# Altium PCB Bran_Main_Assay_PCB_v1.PcbDoc (part 2 of 4)
Units mil, origin at the board's own origin, x right, y up, seen from the top; angles counter-clockwise.
Board outline 3464.57 x 1881.89 mil, 6 copper layers (TOP, GND1, Singal, POWER, GND2, BOTTOM), stack 47.65 mil thick; 366 components, 309 nets, 1358 pads, 596 vias.
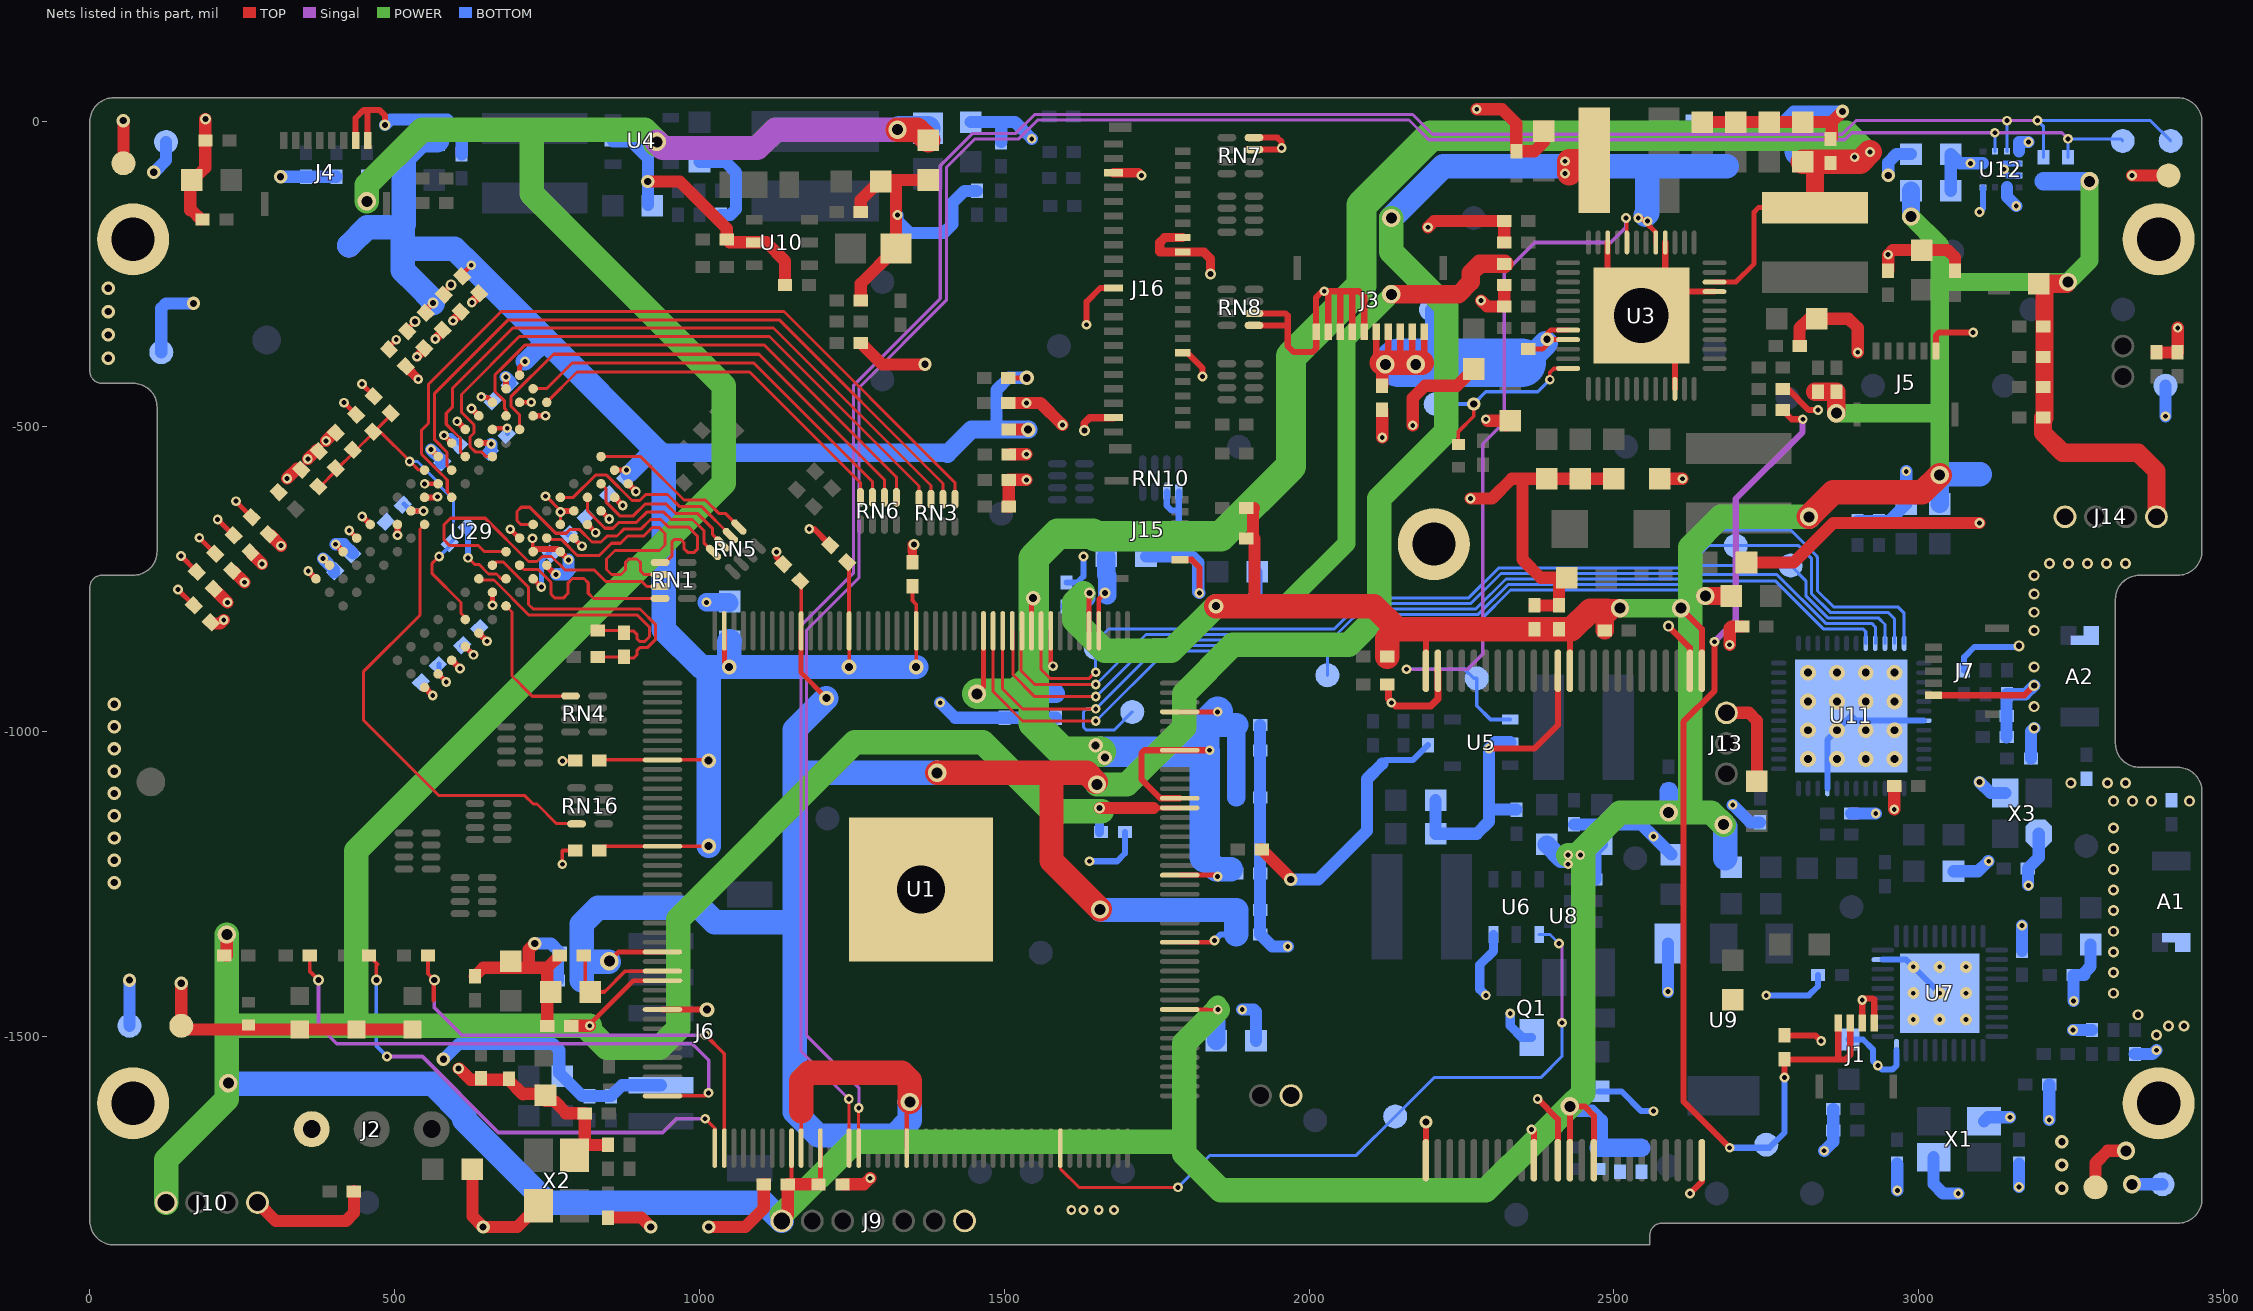
[diagram p6: the nets of this part, all layers, seen from the top]

## Via types
v1: diameter 16, hole 8, TOP to BOTTOM, tented both sides, 396 vias
v2: diameter 30, hole 18, TOP to BOTTOM, tented both sides, 64 vias
v3: diameter 18, hole 10, TOP to BOTTOM, tented both sides, 60 vias
v4: diameter 22, hole 12, TOP to BOTTOM, tented both sides, 35 vias
v5: diameter 25.98, hole 12.99, TOP to BOTTOM, tented both sides, 16 vias
v6: diameter 24, hole 13, TOP to BOTTOM, tented both sides, 15 vias
v7: diameter 19.68, hole 7.87, TOP to BOTTOM, tented both sides, 9 vias
v8: diameter 17.99, hole 10, TOP to BOTTOM, tented both sides, 1 vias

## Nets (pads, with @x,y where several pads share a name; then routed paths per layer and width w, separated by ;. In a path a pad name is that pad's centre, name@x,y a point inside that pad or via, vN(x,y) a via of type N, cw(c..) or ccw(c..) an arc to the next point about the centre after c; other vN are vias at no path point) (continued)
BLE_CTS_UART3: TP15.1 U1.14 U11.21 | length 1835.1
  TOP w5: U1.14@1497.45,-835.33 1497.45,-930.6 1530,-963.15 v1(1650,-963.15)
  BOTTOM w5: TP15.1@1710,-968.15 1680,-998.15 1635,-998.15 1630,-993.15 1630,-968.15 1635,-963.15 v1(1650,-963.15) 1650.51,-963.15 1754.48,-859.18 2052.61,-859.18 2103.64,-808.15 2277.73,-808.15 2326.73,-759.15 2617.18,-759.15 2633.18,-743.15 2767.54,-743.15 2847.35,-822.96 2922.81,-822.96 2928.94,-829.09 U11.21@2928.94,-855.63
BLE_RESET: TP12.1 U1.10 U11.24 | length 1755.4
  TOP w5: U1.10@1560.44,-835.33 1560.44,-898.59 1575,-913.15 1639.49,-913.15 1649.49,-903.15 v1(1650,-903.15)
  BOTTOM w5: v1(1650,-903.15) TP12.1@1650,-863.15 1650,-853.15 1670.97,-832.18 2041.43,-832.18 2092.46,-781.15 2262,-781.15 2311,-732.15 2606,-732.15 2651.55,-686.6 2651.55,-684.33 2666.46,-669.41 2789.71,-669.41 2833.57,-713.27 2833.57,-714.6 2834.13,-715.16 2834.13,-769.72 2860.37,-795.96 2965.81,-795.96 2976.18,-806.34 U11.24@2976.18,-855.63
BLE_RTS_UART3: TP16.1 U1.15 U11.20 | length 1739.4
  TOP w5: U1.15@1481.7,-835.33 1481.7,-934.85 1530,-983.15 v1(1650,-983.15)
  BOTTOM w5: v1@1650.51,-983.15 1765.48,-868.18 2030,-868.18 ; TP16.1@2030,-908.15 2030,-868.18 ; U11.20@2913.19,-855.63 2913.19,-836.51 2908.64,-831.96 2843.62,-831.96 2764.81,-753.15 2635.91,-753.15 2620.91,-768.15 2330.46,-768.15 2281.46,-817.15 2107.37,-817.15 2056.34,-868.18 2030,-868.18
BLE_RXD_UART3: TP14.1 U1.13 U11.22 | length 1692.1
  TOP w5: U1.13@1513.2,-835.33 1514.2,-836.33 1514.2,-907.35 1550,-943.15 v1(1650,-943.15)
  BOTTOM w5: v1(1650,-943.15) 1650.51,-943.15 1743.48,-850.18 2048.88,-850.18 2099.91,-799.15 2274,-799.15 2323,-750.15 2613.46,-750.15 2635.23,-728.38 2789.77,-728.38 TP14.1@2790,-728.15 2815,-753.15 2815,-777.89 2851.08,-813.96 2933.81,-813.96 2944.69,-824.84 U11.22@2944.69,-855.63
BLE_TXD_UART3: TP13.1 U1.12 U11.23 | length 1726.3
  TOP w5: U1.12@1528.94,-835.33 1527.37,-836.33 1527.37,-900.52 1550,-923.15 v1(1650,-923.15)
  BOTTOM w5: v1(1650,-923.15) 1650.51,-923.15 1732.48,-841.18 2045.16,-841.18 2096.18,-790.15 2265.73,-790.15 2314.73,-741.15 2609.73,-741.15 2655.28,-695.6 TP13.1@2700,-695.6 2803.17,-695.6 2824.57,-717 2824.57,-774.72 2854.81,-804.96 2949.81,-804.96 2960.43,-815.59 U11.23@2960.43,-855.63
BOOST_EN: TP35.1 U1.125 U6.1 | length 1177.2
  TOP w5: U1.125@1591.94,-1683.75 1591.94,-1717.42 1622.67,-1748.15 v1(1785,-1748.15)
  Singal w5: v1(2415,-1478.15) v1@2415,-1353.15
  BOTTOM w5: v1(1785,-1748.15) 1837.52,-1695.63 2077.52,-1695.63 TP35.1@2141.26,-1631.89 2205,-1568.15 2380,-1568.15 2415,-1533.15 v1(2415,-1478.15) ; U6.1@2377.4,-1333.43 2395.28,-1333.43 v1(2410,-1348.15)
BUTTON: D2.1 J1.1 J1.2 R22.2 TP19.1 | length 1788.6
  TOP w10: v1@2665.35,-853.15 2665.35,-933.17 2614,-984.52 2614,-1607.15 v1(2690,-1683.15) ; R22.2@2776.75,-473.15 2791.75,-488.15 v1(2810,-488.15) ; v1(2780,-1568.15) D2.1@2780,-1538.15 2880,-1538.15 2887.8,-1530.35 J1.2@2887.8,-1478.35 ; 2868.11,-1536.26 J1.1@2868.11,-1478.35
  Singal w10: v1(2665,-853.15) 2700,-818.15 2700,-618.74 2809.61,-509.13 2809.61,-488.54 v1(2810,-488.15)
  BOTTOM w10: v1(2690,-1683.15) 2750,-1683.15 2755,-1683.15 2780,-1658.15 v1(2780,-1568.15)
CAS: RN16.4 U29.K3 | length 782.8
  TOP w5: U29.K3@549.02,-660.76 541.59,-668.19 541.59,-809.54 448.59,-902.54 448.59,-981.54 572.59,-1105.54 713.53,-1105.54 727.29,-1119.3 733.35,-1119.3 765.59,-1151.54 798.03,-1151.54 RN16.4@798.45,-1151.94
CHGLED: D1.2 TP43.1 U3.36 | length 324.8
  TOP w6: D1.2@2245,-529.45 2245,-508.15 2270,-483.15 v4(2270,-463.15) ; v1(2395,-423.15) 2395,-411.38 2401.61,-404.76 U3.36@2424.92,-404.76
  BOTTOM w6: TP43.1@2207.81,-463.15 v4(2270,-463.15) 2290,-443.15 2375,-443.15 v1(2395,-423.15)
CKE: RN4.1 U29.K9 | length 228.8
  TOP w5: U29.K9@682.64,-794.4 692.59,-804.35 692.59,-909.4 704.61,-921.43 710.26,-927.07 725.73,-942.54 771.7,-942.54 772.23,-942.01 RN4.1@788.36,-942.01
CORE-VDD: C28.2 C29.2 C30.2 C49.1 C55.1 C56.1 C117.1 L4.2 TP41.1 U1.35 U1.73 U1.98 U1.109 U1.149 U3.17 | length 5496.7
  TOP w6: U1.98@1166.74,-1683.75 1166.74,-1623.15 ; U1.35@1166.74,-835.33 1167.2,-834.87 C49.1@1167.2,-755.15
  TOP w8: v2(852.07,-1377.22) 867.4,-1361.9 U1.73@939.38,-1361.9 ; U1.35@1166.74,-835.33 1166.74,-904 v6(1208.37,-945.63) ; U1.109@1339.97,-1683.75 1339.97,-1613.18 v2(1345,-1608.15) ; U1.149@1787.8,-1346.15 v1@1842,-1346.15 ; v1(2540,-158.15) 2545.58,-158.15 2552.79,-165.36 2568.62,-181.19 U3.17@2568.62,-198.07
  TOP w40: 1166.74,-1623.15 1166.74,-1573.41 1180,-1560.15 1332,-1560.15 1345,-1573.15 v2(1345,-1608.15) ; v2(1390,-1068.15) 1635,-1068.15 v2@1650,-1083.15 ; 1577.5,-1070.65 1577.5,-1212.66 v2(1657.07,-1292.22) ; v1@2426.72,-85 2426.72,-65 2466.06,-65 L4.2@2467.91,-63.15
  POWER w40: v2(1652.07,-1087.22) 1700.93,-1087.22 1795,-993.15 1795,-938.15 1875,-858.15 2065,-858.15 2115,-808.15 2115,-618.15 2225,-508.15 2225,-303.15 2135,-213.15 v2(2135,-158.15)
  BOTTOM w10: v1(1845,-1343.15) 1855,-1333.15 C28.2@1880.31,-1333.15
  BOTTOM w20: 1166.37,-1623.15 1166.37,-1529.63
  BOTTOM w40: C117.1@807.06,-1408.63 807.06,-1378.15 ; v2@851.14,-1378.15 810.12,-1378.15 807.06,-1378.15 ; v6@1208.27,-945.83 1156.37,-997.73 1156.37,-1068.15 ; v2(1345,-1608.15) 1345,-1638.15 1320,-1663.15 1195,-1663.15 1156.37,-1624.52 1156.37,-1313.15 ; v2(1390,-1068.15) 1156.37,-1068.15 ; v2@1658.37,-1293.15 C30.2@1880.31,-1293.15 C28.2@1880.31,-1333.15 ; v2(2135,-158.15) TP41.1@2177.66,-115.49 2220.32,-72.83 2420,-72.83 2555,-72.83 ; 2552,-153.15 2555,-150.15 2555,-72.83 ; C56.1@2685,-72.83 2635,-72.83 2555,-72.83 ; 807.06,-1378.15 807.06,-1362.66 807.06,-1316.06 833.49,-1289.63 1001.37,-1289.63 1025.11,-1313.37 1130.02,-1313.37 1130.25,-1313.15 1156.37,-1313.15 ; 1156.37,-1313.15 1156.37,-1068.15
  other v1: 2555,-163.15 2420,-85 2420,-65
CPU-VDD: C20.2 C21.2 C22.2 C23.2 C24.2 C25.2 C26.2 C27.2 C46.1 C48.1 L2.2 TP42.1 U1.4 U1.9 U1.11 U1.16 U1.156 U1.164 U1.169 U1.173 U3.10 | length 4679.5
  TOP w8: 1465.95,-927.83 U1.16@1465.95,-835.33 ; U1.11@1544.69,-835.33 1544.69,-781.63 v6(1547.37,-781.63) ; U1.9@1576.19,-835.33 1576.19,-889.34 v1(1580,-893.15) ; U1.4@1654.93,-835.33 1654.93,-783.22 v3(1665,-773.15) ; U1.156@1787.8,-1235.92 v1@1847.77,-1235.92 ; U1.173@1787.8,-968.19 v1@1849.95,-968.19 ; U3.10@2665.08,-263.03 2700.12,-263.03 2730,-233.15 2730,-148.15 2737.09,-141.06 L2.2@2830,-141.06
  TOP w10: U1.164@1787.8,-1109.93 1756.12,-1109.93 1725,-1078.81 1725,-1036.19 1730,-1031.19 U1.169@1787.8,-1031.19 v1(1836.96,-1031.19)
  TOP w30: L2.2@2830,-141.06 2830,-70.65
  TOP w40: C46.1@2810,-65.65 2855,-65.65 2895,-65.65 2904,-65.65 v1(2920,-49.65)
  POWER w50: v2(1455.31,-938.46) 1519.69,-938.46 1548.37,-909.78 ; v6@1658.37,-1033.63 1650,-1033.63 1595.48,-1033.63 1548.37,-986.52 1548.37,-909.78 ; 2905,-48.15 2880,-23.15 2200,-23.15 2086,-137.15 2086,-269.48 1970.37,-385.11 1970.37,-565.11 1855.33,-680.15 1649.33,-680.15 1645.33,-676.15 1588.11,-676.15 1548.37,-715.89 1548.37,-781.63 1548.37,-893.15 1548.37,-909.78
  BOTTOM w30: C23.2@1500,-938.46 C21.2@1545,-938.46 ; C22.2@1585,-938.46 C21.2@1545,-938.46 ; C20.2@1667.5,-713.15 1667.5,-743.15 1669,-744.65 1669,-773.15 v3@1669,-777.15 ; 1669,-692.15 1653.48,-676.63 1587.37,-676.63 1547.37,-716.63 v6(1547.37,-781.63) 1547.37,-936.09 C21.2@1545,-938.46 ; C25.2@1880.31,-1108.63 C26.2@1880.31,-1031.63 C27.2@1880.31,-989.63
  BOTTOM w40: 1828.52,-1206.67 1848,-1226.15 1850,-1226.15 C24.2@1872,-1226.15 ; 1832.32,-985.83 1832.32,-989.63 1850,-989.63 C27.2@1880.31,-989.63
  BOTTOM w50: v6@1658.37,-1033.63 1665,-1033.63 1828.04,-1033.63 ; 1828.52,-1206.67 1828.52,-1033.15 1828.04,-1033.63 ; v1(1850,-968.15) 1832.32,-985.83 1828.04,-990.11 1828.04,-1031.19 1828.04,-1033.63 ; TP42.1@2805,-48.15 2895,-48.15 2900,-48.15
  other v1: 1850,-1238.15 2895,-58.15
  other v6: 1665,-1043.15 1650,-1023.15
DCIN-5V: D5.1 J3.1 J3.2 J3.3 J3.4 J3.5 R14.2 TP18.1 U3.32 U3.33 | length 813
  TOP w8: R14.2@2359.69,-373.15 2383.28,-373.15 2390,-366.43 2390,-356.89 2390,-348.15 2396.38,-341.77 U3.32@2424.92,-341.77 ; v4@2390.23,-357.52 2390.46,-357.52 U3.33@2424.92,-357.52
  TOP w10: J3.5@2110.24,-344.49 2110.24,-386.5 v2@2119.37,-395.63 ; v2@2129.92,-395.08 J3.4@2129.92,-344.49 ; 2149.61,-395.39 J3.3@2149.61,-344.49 ; v2@2169.29,-390.71 J3.2@2169.29,-344.49 ; 2188.98,-391.65 J3.1@2188.98,-344.49
  TOP w20: D5.1@2120,-433.46 2120,-398.15 v2@2120,-396.26
  TOP w40: v2@2119.37,-395.63 2125,-395.63 2175,-395.63 v2@2185,-395.63
  BOTTOM w20: 2200,-390.63 TP18.1@2200,-308.15
  BOTTOM w40: 2348.98,-395.63 2355.8,-395.63 v4@2388.28,-363.15
  BOTTOM w80: 2147.52,-395.63 2175,-395.63 2348.98,-395.63
  other v2: 2125,-398.15 2175,-398.15
  other v4: 2390.46,-356.89
DEBUG_LED1: R137.1 U1.90 | length 813.2
  TOP w6: R137.1@554.68,-1368.15 554.68,-1397.83 v3(565,-1408.15) 565,-1440.1 563.42,-1441.68 v3@563.42,-1413.63 ; v1(1010,-1498.15) 1040.76,-1528.91 U1.90@1040.76,-1683.75
  Singal w6: v3(565,-1408.15) 565,-1453.15 610.48,-1498.63 v1@1009.52,-1498.63
DEBUG_LED2: R138.1 U1.89 | length 816.8
  TOP w6: R138.1@457.81,-1368.15 471.89,-1382.23 470,-1384.13 v3(470,-1408.15) ; v1(1009.37,-1635.63) 1025.01,-1651.27 U1.89@1025.01,-1683.75
  Singal w6: v1(487.37,-1533.63) 545.48,-1533.63 670,-1658.15 939.85,-1658.15 962.37,-1635.63 v1(1009.37,-1635.63)
  BOTTOM w6: v3(470,-1408.15) 470,-1516.26 v1(487.37,-1533.63)
DEBUG_LED3: R153.1 U1.88 | length 920
  TOP w6: R153.1@360.93,-1368.15 360.93,-1394.08 v3(375,-1408.15) ; U1.88@939.38,-1598.12 1010.03,-1598.12 v1(1015,-1593.15)
  Singal w6: v3(375,-1408.15) 375,-1482.63 405,-1512.63 988.37,-1512.63 1015.37,-1539.63 1015.37,-1593.15 v1@1015.37,-1597.63
DQ0: RN3.4 U29.E3 | length 1053.2
  TOP w5: U29.E3@660.37,-549.42 650.32,-549.42 642.42,-541.51 632.14,-541.51 623.72,-533.1 623.72,-517.33 630.21,-510.83 630.21,-497.33 609.59,-476.71 609.59,-447.54 704.59,-352.54 1114.96,-352.54 1360.06,-597.64 RN3.4@1360.06,-619.32
DQ1: RN1.1 U29.F7 | length 527.6
  TOP w5: U29.F7@727.18,-660.76 706.82,-660.76 700.59,-654.54 700.59,-639.54 707.59,-632.54 721.6,-632.54 764.21,-675.15 781.54,-675.15 788.03,-668.65 802.92,-668.65 823.8,-689.54 838.59,-689.54 848.59,-679.54 864.59,-679.54 875.59,-668.54 903.59,-668.54 919.59,-652.54 936.59,-652.54 948.59,-664.54 981.59,-664.54 996.59,-679.54 996.59,-701.54 991.59,-706.54 980.59,-706.54 974.59,-700.54 974.59,-690.62 969.59,-685.62 958.51,-685.62 954.59,-689.54 954.59,-713.01 944.6,-723.01 RN1.1@935.36,-723.01
DQ2: RN3.3 U29.F2 | length 1084.7
  TOP w5: U29.F2@615.82,-549.41 607.76,-541.36 607.94,-533.11 607.94,-519.61 584.59,-496.26 584.59,-478.54 594.59,-468.54 594.59,-437.55 693.6,-338.54 1121.59,-338.54 1379.75,-596.69 RN3.3@1379.75,-619.32
DQ3: RN1.2 U29.F8 | length 498.2
  TOP w5: U29.F8@749.45,-683.05 751.55,-685.15 773.2,-685.15 799.59,-711.54 835.59,-711.54 855.59,-691.54 870.59,-691.54 882.59,-679.54 908.59,-679.54 922.05,-666.08 934.13,-666.08 943.59,-675.54 943.59,-694.54 934.59,-703.54 861.59,-703.54 847.59,-717.54 847.59,-734.54 855.75,-742.69 871.43,-742.69 878.59,-735.54 878.59,-722.51 883.6,-717.51 897.56,-717.51 903.59,-723.54 903.59,-737.69 908.59,-742.69 RN1.2@935.36,-742.69
DQ4: RN3.1 U29.H3 | length 1267.4
  TOP w5: U29.H3@593.56,-616.22 593.56,-614.15 586.29,-606.88 586.29,-587.75 577.49,-578.94 543.91,-545.36 543.91,-506.22 555.59,-494.54 555.59,-430.55 674.6,-311.54 1138.59,-311.54 1419.12,-592.07 RN3.1@1419.12,-619.32
DQ5: RN1.4 U29.H8 | length 310.8
  TOP w5: U29.H8@704.91,-727.58 711.86,-734.54 735.37,-734.54 756.59,-755.76 756.59,-775.07 763.06,-781.54 776.58,-781.54 784.05,-774.07 784.05,-757.08 791.59,-749.54 810.59,-749.54 817.59,-756.54 817.59,-773.55 826.11,-782.07 RN1.4@935.36,-782.07
DQ6: RN3.2 U29.G2 | length 1158.2
  TOP w5: U29.G2@593.55,-571.69 585.66,-563.8 585.66,-541.88 565.59,-521.81 565.59,-445.54 685.59,-325.54 1131.59,-325.54 1399.43,-593.38 RN3.2@1399.43,-619.32
DQ7: RN1.3 U29.H7 | length 546.8
  TOP w5: U29.H7@682.64,-705.31 647.36,-705.31 637.59,-695.54 590.59,-695.54 580.59,-685.54 580.59,-661.54 591.59,-650.54 648.59,-650.54 719.59,-721.54 733.6,-721.54 741.93,-713.21 757.27,-713.21 779.6,-735.54 827.59,-735.54 846.59,-754.54 905.85,-754.54 913.69,-762.38 RN1.3@935.36,-762.38
DQ8: RN5.2 U29.D7 | length 343.6
  TOP w5: U29.D7@771.72,-616.22 793.05,-616.22 829.69,-579.58 844.49,-579.58 847.66,-579.76 889.44,-621.55 901.88,-621.55 911.89,-611.54 947.59,-611.54 967.59,-631.54 1003.5,-631.54 RN5.2@1050.83,-678.86
DQ9: RN6.2 U29.C3 | length 815.5
  TOP w5: U29.C3@704.91,-504.88 704.91,-480.69 690.52,-466.3 690.52,-451.4 760.39,-381.54 1097.59,-381.54 1303.43,-587.38 RN6.2@1303.42,-616.31
DQ10: RN5.4 U29.C8 | length 290.5
  TOP w5: U29.C8@816.27,-616.22 816.27,-638.17 845.05,-666.94 858.2,-666.94 867.61,-657.54 896.44,-657.54 913.44,-640.54 941.59,-640.54 953.59,-652.54 988.59,-652.54 1007.66,-671.61 1007.66,-691.37 RN5.4@1022.99,-706.7
DQ11: RN6.1 U29.C2 | length 876.3
  TOP w5: U29.C2@682.64,-482.6 682.64,-472.57 680.52,-470.44 680.52,-458.55 664.59,-442.62 664.59,-415.38 676.26,-403.87 713.59,-366.54 1106.59,-366.54 1323.12,-583.07 RN6.1@1323.11,-616.31
DQ12: RN5.1 U29.A7 | length 274.1
  TOP w5: U29.A7@838.53,-549.42 903.62,-549.42 974.74,-620.54 1009.59,-620.54 1031.59,-642.54 1042.35,-642.54 RN5.1@1064.75,-664.94
DQ13: RN6.3 U29.A2 | length 680.6
  TOP w5: U29.A2@727.18,-438.06 749.07,-438.06 791.59,-395.54 1088.59,-395.54 1283.75,-590.69 RN6.3@1283.74,-616.31
DQ14: RN5.3 U29.B8 | length 275.8
  TOP w5: U29.B8@838.53,-593.97 846.42,-601.86 846.42,-622.19 ; RN5.3@1036.91,-692.77 1021.59,-677.44 1021.59,-667.54 996.59,-642.54 960.59,-642.54 945.58,-627.53 910.6,-627.53 891.59,-646.54 869.17,-646.54 846.88,-624.25 ; 846.42,-622.19 846.88,-624.25 ; 846.42,-622.19 846.88,-622.65 846.88,-624.25
DQ15: RN6.4 U29.A3 | length 634.5
  TOP w5: U29.A3@749.45,-460.33 799.25,-410.54 1082.3,-410.54 1264.06,-592.3 RN6.4@1264.05,-616.31
DRAM-REF: C81.1 C83.2 C95.1 C96.1 R86.1 R90.2 U29.H1 U29.M8 | length 630.5
  TOP w5: C95.1@376.18,-600.12 405.18,-571.12 405.18,-570.12 C83.2@433.18,-542.12 ; C83.2@433.18,-540.12 C83.2@433.18,-542.12 ; R86.1@495.18,-480.13 465.68,-509.63 C81.1@465.18,-510.12 ; U29.H1@549.02,-571.69 539.74,-571.69 v1@525.09,-557.04 ; v1(572.97,-713.15) 561.59,-724.54 561.59,-741.54 608.9,-788.85 608.9,-806.51 615.82,-813.43 U29.M8@615.82,-816.68 ; C83.2@433.18,-542.12 434.18,-541.12 C81.1@465.18,-510.12 ; C81.1@465.18,-510.12 478.18,-510.12 v1@522.59,-554.54 ; v1@522.59,-554.54 522.59,-555.54 v1(524.59,-557.54) ; v1@522.59,-554.54 v1(524.59,-557.54) ; v1@522.59,-554.54 v1@525.09,-557.04 ; v1(524.59,-557.54) v1@525.09,-557.04
  BOTTOM w5: v1(524.59,-557.54) 537.34,-557.54 566.67,-586.87 566.67,-590.4 596.59,-620.32 C96.1@596.59,-685.54 ; C96.1@589,-697.12 589,-693.12 C96.1@590.67,-691.46 C96.1@596.59,-685.54 ; C96.1@596.37,-685.76 C96.1@596.59,-685.54
  BOTTOM w6: v1(572.97,-713.15) C96.1@589,-697.12 ; C96.1@590.67,-691.46 C96.1@596.37,-685.76
DRAM-VCC: C33.2 C34.2 C35.2 C36.2 C81.2 C82.1 C85.1 C86.1 C87.1 C88.1 C89.1 C90.1 C91.1 C92.1 C93.1 C94.1 C97.1 C98.1 C99.1 C100.1 C101.1 C102.1 C103.1 C104.1 C105.1 C106.1 C142.2 L13.1 R86.2 R89.2 TP38.1 U1.23 U1.30 U1.43 U1.53 U1.62 U29.A1 U29.A8 U29.B2 U29.C1 U29.C9 U29.D2 U29.D9 U29.E9 U29.F1 U29.G7 U29.H2 U29.H9 U29.K2 U29.K8 U29.N1 U29.N9 U29.R1 U29.R9 | length 4622.4
  TOP w6: v3@561.98,-298.14 v3(562.59,-297.54) ; C36.2@837.9,-1195.45 837.9,-1194.14 843.37,-1188.67 U1.62@939.38,-1188.67 v6@1014.48,-1188.67 ; C33.2@837.92,-1048.29 839.26,-1046.94 U1.53@939.38,-1046.94 1013.79,-1046.94 v6(1015,-1048.15) ; C34.2@1244.18,-724.12 1245.37,-725.32 1245.37,-835.33 1245.37,-835.43 U1.30@1245.48,-835.33 v6@1245.48,-894.52 ; v6(1245.37,-894.63) v6@1245.37,-894.52 ; C35.2@1349.59,-764.58 1349.59,-785.63 1355.37,-791.41 1355.37,-835.33 v6@1355.37,-889.63
  TOP w8: v1(144.59,-767.54) C90.1@169,-791.94 ; v1(149.59,-712.54) C91.1@174,-736.94 ; v1(179.59,-682.54) C92.1@204,-706.94 ; v1(209.59,-652.54) C93.1@234,-676.94 ; v1(239.59,-622.54) C94.1@264,-646.94 ; v1(382.37,-716.63) 393.12,-727.38 U29.R1@393.12,-727.58 ; v1(416.97,-460.92) C81.2@435,-478.94 ; v1(425.43,-670.82) U29.N1@437.66,-683.05 ; v1(446.47,-430.42) 464,-447.94 R86.2@464,-448.94 ; C102.1@489,-371.94 489,-371.12 v1(502.59,-357.54) ; C103.1@519.01,-341.93 v3(533.59,-327.54) ; U29.K2@526.74,-638.5 v1(547.12,-638.5) ; v1(549.17,-594.12) U29.H2@571.28,-593.96 ; U29.R9@571.28,-905.74 v1(584.53,-919) ; C105.1@579,-281.94 579,-281.12 v3(592.59,-267.54) ; v1(580.99,-514.58) U29.F1@593.56,-527.15 ; C106.1@609.01,-251.94 v1(625.59,-235.54) ; U29.N9@615.82,-861.21 v1(629.27,-874.65) ; v1(660.37,-793.32) U29.K8@660.37,-772.12 ; U29.D2@660.36,-504.88 662.36,-502.88 v1(684.63,-502.88) ; U29.C1@660.37,-460.33 652.57,-452.54 v1@645.82,-452.54 ; v1(689.59,-668.54) 704.1,-683.05 U29.G7@704.9,-683.05 ; U29.B2@704.9,-460.33 v1(724.1,-460.15) ; U29.A1@704.91,-415.8 704.91,-402.22 v1(713.59,-393.54) ; U29.H9@727.18,-749.85 v1(740.62,-763.3) ; U29.E9@793.99,-683.03 v1(807.27,-696.32) ; U29.D9@816.26,-660.76 v1(829.7,-674.22) ; U29.C9@838.53,-638.5 v1(851.98,-651.94) ; U29.A8@860.81,-571.69 v1(880.01,-571.69) ; U1.43@1040.76,-835.33 1040.76,-886.8 v6(1048.59,-894.63) ; R89.2@1508.57,-420.19 v6(1536.94,-420.19) ; v1@645.82,-452.54 644.59,-451.31 v1(642.1,-451.31) v1@645.82,-452.54
  TOP w10: C104.1@549,-311.94 561.98,-298.96 v3@561.98,-298.14
  TOP w20: C82.1@1510.02,-505.08 v6(1539.13,-505.08)
  BOTTOM w8: C89.1@515.18,-626.95 526.73,-638.5 v1(547.12,-638.5) ; C98.1@572.5,-889.63 572.5,-891.3 572.5,-902.71 570.37,-904.84 v1(584.53,-919) ; v1(580.99,-514.58) 592.9,-514.58 C99.1@607.26,-528.95 ; C97.1@609.12,-860.32 610.79,-860.32 C97.1@612.37,-860.32 ; C97.1@612.37,-860.32 614.93,-860.32 v1(629.27,-874.65) ; v1(642.1,-451.31) 650.18,-451.31 C100.1@659,-460.13 ; v1(684.63,-502.88) 685.18,-503.43 C101.1@685.18,-511.95 ; v1(740.62,-763.3) 740.62,-720.33 C88.1@753.99,-706.96 ; C85.1@784,-678.13 785.67,-678.13 786.08,-678.13 786.71,-677.5 787.58,-676.63 v1(807.27,-696.32)
  BOTTOM w20: v1(382.37,-716.63) 400.62,-734.88 400.62,-737.79 C87.1@400.62,-739.46 ; 1487.37,-505.08 1487.37,-440.19 1507.37,-420.19 v6(1536.94,-420.19)